# Altium PCB fmuvxX-baseT1.PcbDoc (part 4 of 5)
Units mm, origin at the board's own origin, x right, y up, seen from the top; angles counter-clockwise.
Board outline 88 x 47 mm, 6 copper layers (Top Layer, Layer 2, Signal Layer 3, Signal Layer 4, Layer 5, Bottom Layer), stack 1.548 mm thick; 363 components, 295 nets, 1451 pads, 844 vias.
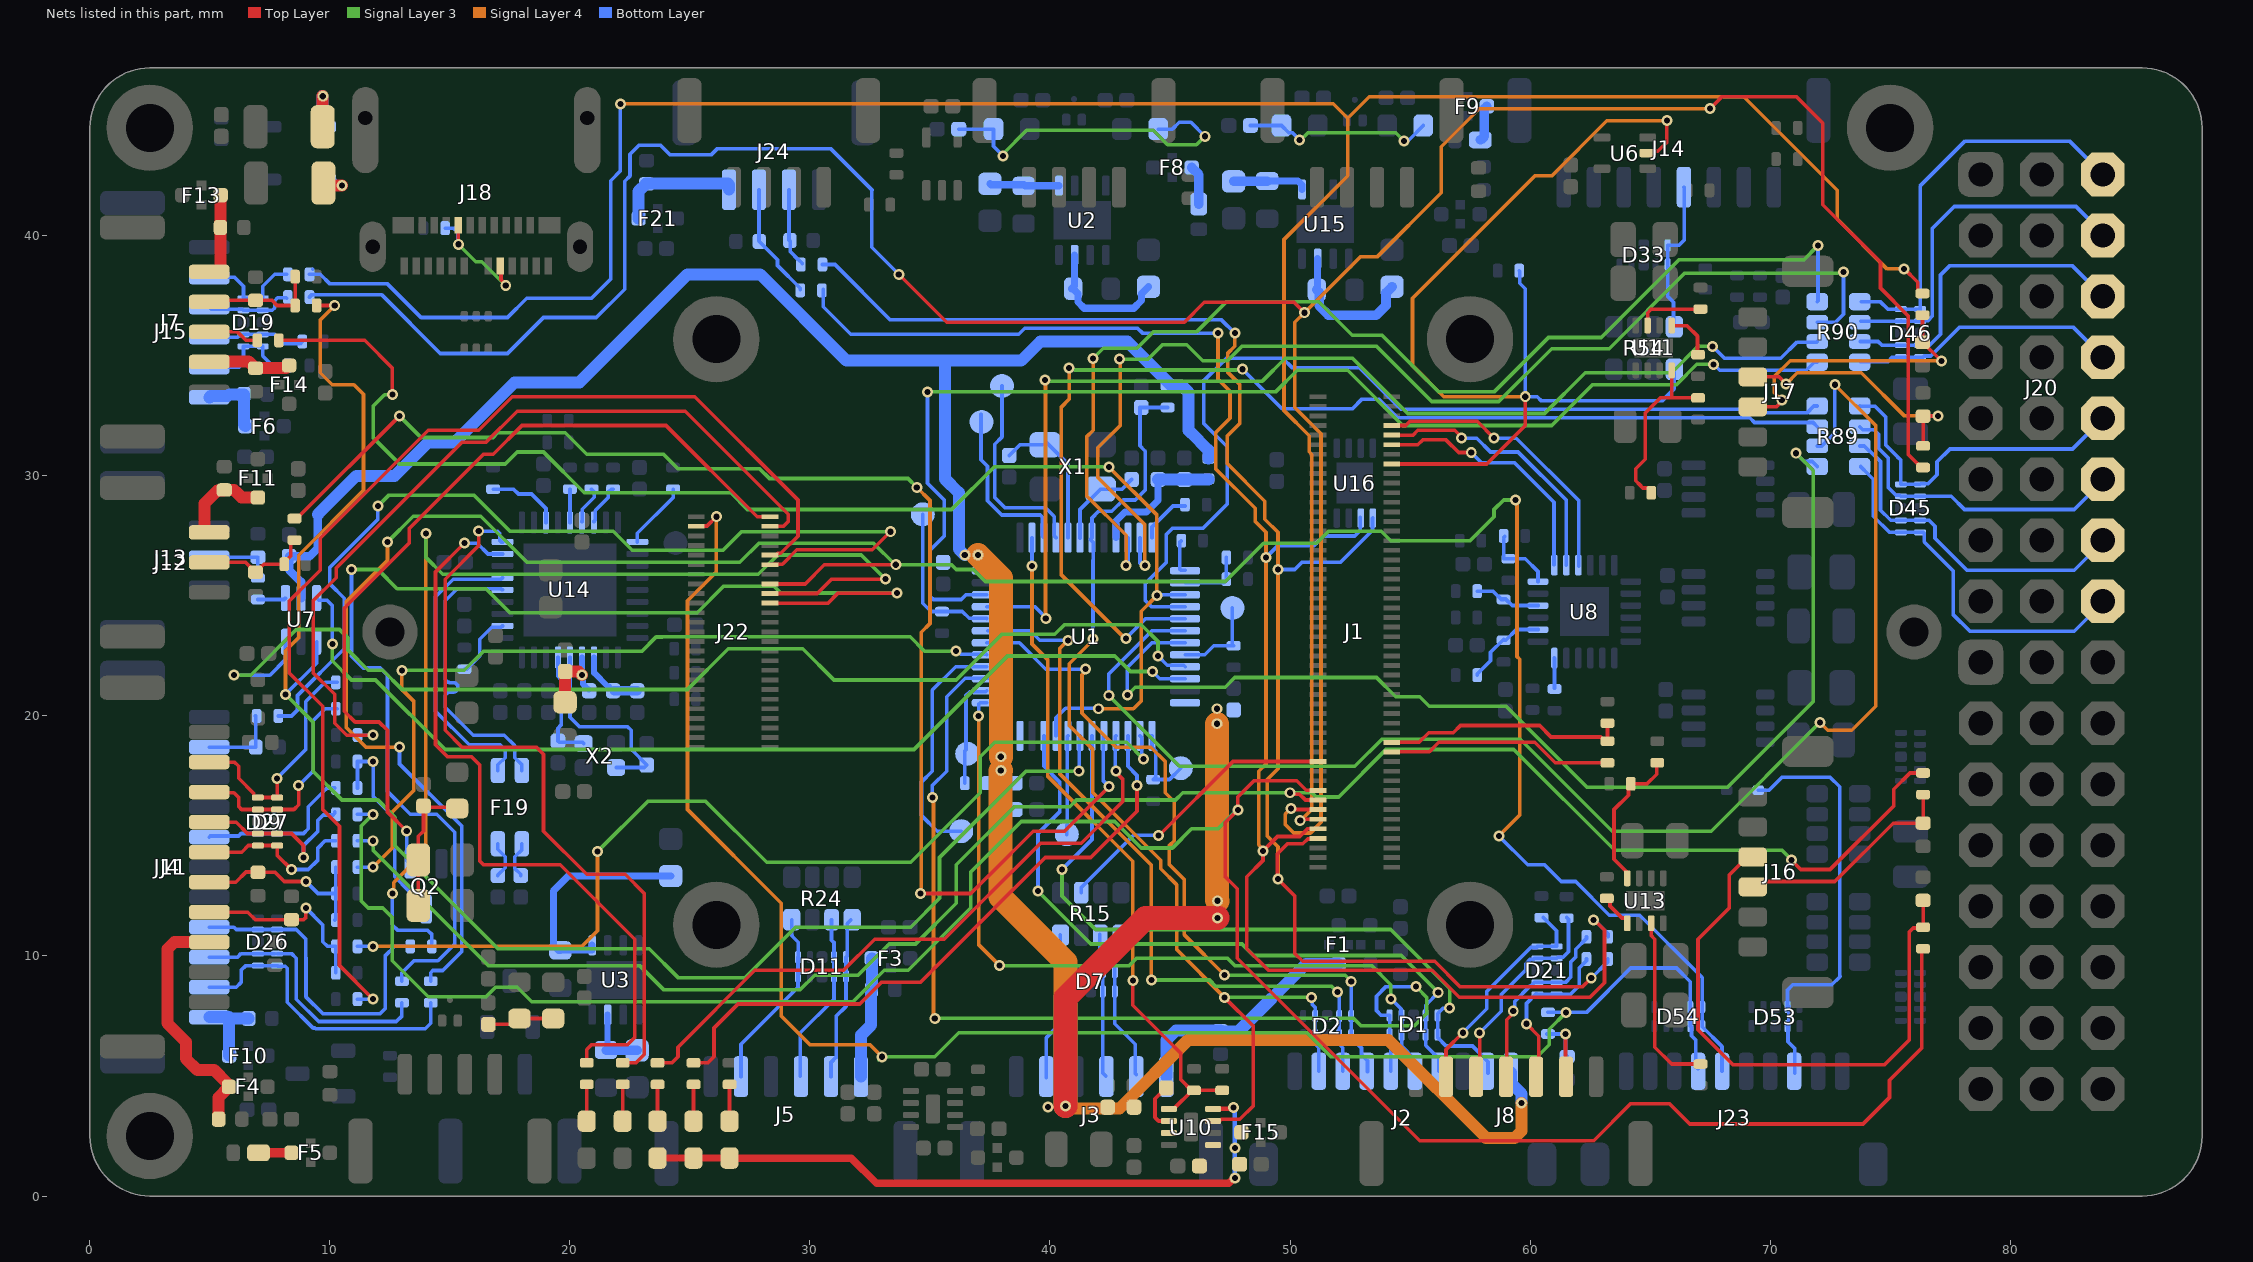
[diagram p8: the nets of this part, all layers, seen from the top]

## Via types
v1: diameter 0.457, hole 0.254, Top Layer to Bottom Layer, tented both sides, 788 vias
v2: diameter 0.65, hole 0.35, Top Layer to Bottom Layer, 56 vias

## Nets (pads, with @x,y where several pads share a name; then routed paths per layer and width w, separated by ;. In a path a pad name is that pad's centre, name@x,y a point inside that pad or via, vN(x,y) a via of type N, cw(c..) or ccw(c..) an arc to the next point about the centre after c; other vN are vias at no path point) (continued)
GPS2_5V_FLT: D18.2 F6.3 J7.1 | length 2.8
  Bottom Layer w0.5: J7.1@4.975,33.275 5.025,33.325 5.734,33.325 5.809,33.4 D18.2@6.415,33.4 ; D18.2@6.415,33.365 6.415,32.135 F6.3@6.475,32.075
HPWR_ILIM: R81.1 U11.7 | length 2.8
  Top Layer w0.152: U11.7@64.9,36.25 64.9,36.8 65.05,36.95 R81.1@67.1,36.95
HW_VER_REV_DRIVE: J1.25 R2.2 | length 9.5
  Top Layer w0.152: J1.25@54.24,18.5 54.247,18.507 55.807,18.507 56.2,18.9 60.2,18.9 61.05,18.05 R2.2@63.225,18.05
HW_VER_SENSE: J1.27 R1.2 R2.1 | length 10.3
  Top Layer w0.152: J1.27@54.24,18.9 55.375,18.9 55.775,19.3 56.8,19.3 57.1,19.6 60.4,19.6 60.875,19.125 62.947,19.125 63.122,18.95 R2.1@63.225,18.95 ; R2.1@63.225,18.975 R1.2@63.225,19.7
I2C1_SCL_GPS1: J1.18 R18.1 R61.2 | length 98.7
  Top Layer w0.152: J1.18@51.16,16.9 50.675,16.9 50.275,17.3 48.5,17.3 47.823,16.623 47.823,16.096 v1(47.829,16.09) 47.3,15.561 47.3,13.3 47.8,12.8 47.8,9.9 55.4,2.3 62.65,2.3 64.2,3.85 65.8,3.85 66.65,3 73.875,3 74.975,4.1 74.975,4.825 76.325,6.175 76.325,10.225 R61.2@76.4,10.3
  Signal Layer 3 w0.152: v1(11.8,15.9) 11.3,15.4 11.3,12.3 11.6,12 12.2,12 12.6,11.6 12.6,9.8 14.1,8.3 16.5,8.3 16.9,8.7 17.8,8.7 18.405,8.095 31.795,8.095 33.1,9.4 34.1,9.4 36.7,12 36.7,13.5 38.8,15.6 42.7,15.6 43.8,14.5 45.1,14.5 45.9,15.3 47,15.3 v1@47.8,16.1
  Bottom Layer w0.152: R18.1@11.15,15.9 v1(11.8,15.9)
I2C1_SDA_GPS1: J1.16 R19.1 R62.2 | length 78.7
  Top Layer w0.152: v1(50,16.8) 50.058,16.742 50.392,16.742 50.533,16.6 50.544,16.6 50.644,16.5 J1.16@51.16,16.5 ; v1(70.9,14) 70.9,13.975 71.275,13.6 72.5,13.6 75.15,16.25 75.15,16.95 75.825,17.625 R62.2@76.375,17.625
  Signal Layer 3 w0.152: v1(11.8,14.8) 11.8,14.4 16.6,9.6 22.9,9.6 23.9,8.6 29.6,8.6 30.2,9.2 32,9.2 33.3,10.5 34.4,10.5 36.1,12.2 36.1,13.8 38.52,16.22 40.82,16.22 41.1,16.5 45.234,16.5 45.534,16.8 v1(50,16.8) 50.916,16.8 51.091,16.625 52.025,16.625 54,18.6 59.325,18.6 63.525,14.4 70.5,14.4 v1(70.9,14)
  Bottom Layer w0.152: R19.1@11.15,14.8 v1(11.8,14.8)
I2C2_SCL_UART8: J1.14 R30.1 R63.2 | length 123.1
  Top Layer w0.152: v1(33.7,38.4) 35.7,36.4 45.6,36.4 46.432,37.232 50.168,37.232 v1(50.6,36.8) ; v1(50.037,16.152) 50.089,16.1 J1.14@51.16,16.1 ; v1(67.5,45.3) 68,45.8 71.1,45.8 72.2,44.7 72.2,41.3 74.6,38.9 74.6,37.825 75.75,36.675 75.75,30.898 76.298,30.35 R63.2@76.375,30.35
  Signal Layer 4 w0.152: v1(50.037,16.152) 50.037,16.147 49.8,15.91 49.8,15.475 50.15,15.125 50.85,15.125 51.293,15.568 51.293,31.757 50.2,32.85 50.2,36.4 v1(50.6,36.8) 52.925,39.125 53.625,39.125 56.3,41.8 56.3,43.711 57.889,45.3 v1(67.5,45.3)
  Bottom Layer w0.152: R30.1@9.15,37.45 9.255,37.555 12.145,37.555 14.6,35.1 17.4,35.1 18.9,36.6 21.1,36.6 22.281,37.781 22.281,42.281 22.5,42.5 22.5,43.4 22.875,43.775 23.775,43.775 24.175,43.375 25.875,43.375 26.125,43.625 30.875,43.625 32.588,41.912 ; 32.575,41.9 32.575,39.525 v1(33.7,38.4)
I2C2_SDA_UART8: J1.12 R31.1 R64.2 | length 112.4
  Top Layer w0.152: v1(50.425,15.643) 50.482,15.7 J1.12@51.16,15.7 ; v1@75.579,38.646 76.151,38.074 76.151,37.722 76.273,37.6 R64.2@76.35,37.6
  Signal Layer 4 w0.152: v1(22.1,45.5) 51.8,45.5 52.4,44.9 ; v1(50.425,15.643) 50.443,15.643 50.906,16.106 50.906,30.896 50.8,31.002 50.8,31.675 49.75,32.725 49.75,37.7 49.75,39.85 52.4,42.5 52.4,44.9 ; v1(75.575,38.625) 74.875,38.625 72.8,40.7 72.8,41.9 68.9,45.8 53.3,45.8 52.4,44.9
  Bottom Layer w0.152: R31.1@9.15,38.4 9.6,38.4 10,38 12.4,38 13.8,36.6 17.4,36.6 18.2,37.4 20.9,37.4 21.7,38.2 21.7,42.3 22.1,42.7 v1(22.1,45.5)
I2C3_SCL_EXTERNAL3: J1.10 R34.1 R104.1 U16.6 | length 72.7
  Top Layer w0.152: J1.10@51.15,15.3 50.729,15.3 50.404,14.975 49.475,14.975 v1(48.875,14.375) 48.875,13.975 48.2,13.3 48.2,10.3 49.1,9.4 55.925,9.4 57.045,8.28 62.497,8.28 63.105,8.888 63.105,11.07 62.675,11.5 v1(62.65,11.5)
  Signal Layer 4 w0.152: v1(47,35.95) 47,34.025 47.5,33.525 47.5,32.4 46.9,31.8 46.9,30.3 48.55,28.65 48.55,28.1 49,27.65 v1(49,26.6) 49,18 48.698,17.698 48.698,14.627 v1@48.975,14.35
  Bottom Layer w0.152: R104.1@30.55,37.775 30.55,37.05 31.7,35.9 38.7,35.9 38.95,36.15 43.65,36.15 43.85,35.95 v1(47,35.95) ; v1(49,26.6) 49.5,27.1 51,27.1 51.4,27.5 52.7,27.5 52.925,27.725 U16.6@52.925,28.275 ; v1(62.65,11.5) 62.675,11.5 63.25,10.925 R34.1@63.25,10.8
I2C3_SDA_EXTERNAL3: J1.8 R35.1 R105.1 U16.5 | length 68.6
  Top Layer w0.152: J1.8@51.16,14.9 51.136,14.876 50.736,14.876 50.53,14.67 49.895,14.67 49.472,14.247 49.472,13.228 50.2,12.5 50.2,10.1 50.525,9.775 56.025,9.775 57.075,8.725 62.2,8.725 v1(62.55,9.075)
  Signal Layer 4 w0.152: v1(47.7,35.95) 47.7,35.4 47.4,35.1 47.4,34.325 47.9,33.825 47.9,32.178 47.385,31.663 47.385,30.515 48.95,28.95 48.95,28.2 49.5,27.65 v1(49.5,26.1) 49.498,26.098 49.498,17.798 49.054,17.354 49.054,14.996 49.5,14.55 v1(49.5,13.2)
  Bottom Layer w0.152: R105.1@30.523,38.806 31.044,38.806 33.35,36.5 47.15,36.5 v1(47.7,35.95) ; v1(49.5,26.1) 50.2,26.1 50.5,26.4 52.1,26.4 53.439,27.739 53.439,28.234 U16.5@53.45,28.245 ; v1(62.55,9.075) 63.225,9.75 R35.1@63.225,9.875
IO_B_RES: D3.C R9.1 | length 1.6
  Top Layer w0.152: R9.1@25.125,4.675 R9.1@25.15,4.65 D3.C@25.15,3.12
IO_BOOT0: R14.1 TP9.1 U1.44 | length 6.6
  Bottom Layer w0.152: TP9.1@34.7,28.4 34.7,24.7 35.05,24.35 R14.1@35.5,24.35 36.35,24.35 36.634,24.066 37.354,24.066 U1.44@37.37,24.05
IO_BOOT1: R8.1 TP4.1 U1.20 | length 3.7
  Bottom Layer w0.152: U1.20@45.63,22.55 46.45,22.55 46.825,22.925 47.55,22.925 47.625,22.925 R8.1@47.65,22.925 ; R8.1@47.6,22.975 TP4.1@47.6,24.5
IO_CH1: R90.4 U1.10 | length 48.2
  Signal Layer 3 w0.152: v1(41.8,34.9) 42.221,35.321 43.621,35.321 44.3,36 46.1,36 47.355,37.255 51.2,37.255 52.588,35.866 53.834,35.866 56.2,33.5 58.5,33.5 60.77,35.77 62.97,35.77 66.2,39 71.4,39 v1(72,39.6)
  Signal Layer 4 w0.152: v1(41.8,34.9) 41.8,31.9 41.525,31.625 41.525,29.175 43.175,27.525 v1(43.175,26.275)
  Bottom Layer w0.152: v1(43.175,26.275) 43.225,26.275 43.25,26.3 U1.10@43.25,27.43 ; R90.4@71.965,37.26 72,37.295 v1(72,39.6)
IO_CH1_PROT: D46.1 D46.10 J20.1C R90.5 | length 16.7
  Bottom Layer w0.152: R90.5@73.8,37.25 74.6,37.25 74.9,36.95 D46.10@75.45,36.95 D46.1@76.25,36.95 76.25,42.075 78.125,43.95 82.475,43.95 J20.1C@83.9,42.525
IO_CH2: R90.3 U1.11 | length 48.2
  Signal Layer 3 w0.152: v1(42.891,34.866) 44.086,34.866 44.684,35.464 45.7,35.464 46.364,34.8 47.4,34.8 48,35.4 53.6,35.4 53.8,35.2 55.9,33.1 58.7,33.1 60.9,35.3 63.3,35.3 66.45,38.45 73.029,38.45 v1(73.067,38.488)
  Signal Layer 4 w0.152: v1(42.891,34.866) 42.925,34.832 42.925,32.1 41.995,31.17 41.995,29.93 43.95,27.975 v1(43.95,26.275)
  Bottom Layer w0.152: U1.11@43.75,27.43 43.75,26.375 43.85,26.275 v1(43.95,26.275) ; R90.3@71.965,36.4 72.725,36.4 73.056,36.731 73.056,38.477 v1(73.067,38.488)
IO_CH2_PROT: D46.2 D46.9 J20.2C R90.6 | length 14.7
  Bottom Layer w0.152: R90.6@73.785,36.45 D46.9@75.45,36.45 D46.9@75.463,36.463 ; D46.9@75.475,36.45 D46.2@76.25,36.45 76.277,36.477 76.577,36.477 76.75,36.65 76.75,40.3 77.675,41.225 82.75,41.225 J20.2C@83.875,40.1
IO_CH3: R90.2 U1.45 | length 47.8
  Signal Layer 3 w0.152: v1(39.8,34) 39.85,33.95 48.85,33.95 49.8,34.9 52.6,34.9 54.9,32.6 60.6,32.6 62.3,34.3 65.9,34.3 67,35.4 v1(67.6,35.4)
  Signal Layer 4 w0.152: v1(39.8,34) 39.813,33.987 39.813,24.08 v1(39.825,24.068)
  Bottom Layer w0.152: U1.45@37.37,24.55 39.375,24.55 39.825,24.1 v1(39.825,24.068) ; v1(67.6,35.4) 68.1,34.9 70.45,34.9 71.126,35.576 71.941,35.576 R90.2@71.965,35.6
IO_CH3_PROT: D46.4 D46.7 J20.3C R90.7 | length 13.6
  Bottom Layer w0.152: R90.7@73.75,35.6 74.5,35.6 74.65,35.45 D46.7@75.45,35.45 ; D46.7@75.4,35.45 76.65,35.45 77.1,35.9 77.1,38.375 77.475,38.75 82.6,38.75 83.85,37.5 J20.3C@83.85,37.475
IO_CH4: R90.1 U1.46 | length 51.2
  Signal Layer 3 w0.152: v1(34.9,33.5) 49.4,33.5 50.3,34.4 52.4,34.4 54.7,32.1 60.9,32.1 62.6,33.8 66.1,33.8 66.95,34.65 v1(67.65,34.65)
  Bottom Layer w0.152: v1(34.9,33.5) 34.9,29.7 35.6,29 35.6,27.5 35.016,26.916 35.016,24.984 35.15,24.85 36.3,24.85 36.5,25.05 U1.46@37.37,25.05 ; v1(67.65,34.65) 67.9,34.4 71.502,34.4 71.842,34.74 R90.1@71.965,34.74
IO_CH4_PROT: D46.5 D46.6 J20.4C R90.8 | length 11.2
  Bottom Layer w0.152: R90.8@73.75,34.75 74.9,34.75 75.1,34.95 D46.6@75.45,34.95 D46.5@76.25,34.95 76.37,34.95 76.419,34.999 76.699,34.999 77.9,36.2 82.625,36.2 J20.4C@83.825,35 ; J20.4C@83.825,34.9 J20.4C@83.825,34.975
IO_CH5: R89.4 U1.16 | length 40.5
  Bottom Layer w0.152: U1.16@45.63,24.55 44.225,24.55 43.975,24.8 43.975,25.525 44.85,26.4 44.85,27.575 45.1,27.825 46.375,27.825 47.383,28.833 47.383,31.217 46.4,32.2 46.4,33.95 47.35,34.9 49.7,34.9 50.1,34.5 52.9,34.5 54.625,32.775 69.525,32.775 69.675,32.625 71.536,32.625 71.821,32.91 R89.4@71.965,32.91
IO_CH5_PROT: D45.1 D45.10 J20.5C R89.5 | length 14.2
  Bottom Layer w0.152: R89.5@73.735,32.91 73.745,32.9 74.375,32.9 74.825,32.45 74.825,31.281 75.307,30.799 75.307,30.793 75.45,30.65 D45.10@75.45,29.65 D45.1@76.25,29.65 76.277,29.677 76.577,29.677 76.953,30.053 76.953,30.585 77.493,31.125 82.6,31.125 J20.5C@83.865,32.39
IO_CH6: R89.3 U1.17 | length 47.9
  Signal Layer 3 w0.152: v1(40.8,34.5) 40.858,34.442 41.011,34.442 41.042,34.411 47.991,34.411 v1(48.025,34.445)
  Signal Layer 4 w0.152: v1(40.8,34.5) 40.8,33.2 40.475,32.875 40.475,25.875 43.125,23.225 v1(43.175,23.225)
  Bottom Layer w0.152: v1(43.175,23.225) 43.175,23.25 43.975,24.05 U1.17@45.63,24.05 ; v1(48.025,34.445) 49.67,32.8 52.6,32.8 53,33.2 53.7,33.2 54.475,32.425 69.15,32.425 69.35,32.225 71.79,32.225 R89.3@71.965,32.05
IO_CH6_PROT: D45.2 D45.9 J20.6C R89.6 | length 13.1
  Bottom Layer w0.152: R89.6@73.735,32.05 73.86,31.925 74.325,31.925 74.52,31.73 74.52,31.155 74.925,30.75 74.925,29.517 75.243,29.199 75.401,29.199 D45.9@75.45,29.15 D45.2@76.25,29.15 77.55,29.15 78.1,28.6 82.675,28.6 83.85,29.775 J20.6C@83.85,29.825
IO_CH7: R89.2 U1.18 | length 59.5
  Signal Layer 3 w0.152: v1(42.45,20.85) 45.4,17.9 52.7,17.9 53.835,19.035 59.59,19.035 63.425,15.2 67.55,15.2 v1(72.075,19.725)
  Signal Layer 4 w0.152: v1(72.075,19.725) 72.4,19.4 73.4,19.4 74.4,20.4 74.4,32.1 v1(72.7,33.8)
  Bottom Layer w0.152: v1(42.45,20.85) 42.45,21.75 44.25,23.55 U1.18@45.63,23.55 ; R89.2@71.965,31.25 72.15,31.25 72.418,31.519 72.421,31.519 72.698,31.795 v1@72.698,33.798
IO_CH7_PROT: D45.4 D45.7 J20.7C R89.7 | length 14.3
  Bottom Layer w0.152: R89.7@73.735,31.25 73.92,31.25 74.148,31.021 74.179,31.021 74.6,30.6 74.6,28.575 75.025,28.15 D45.7@75.45,28.15 D45.4@76.25,28.15 76.625,28.15 76.874,27.901 76.874,27.408 78.207,26.075 82.675,26.075 83.9,27.3 J20.7C@83.9,27.325
IO_CH8: R89.1 U1.19 | length 48
  Top Layer w0.152: v1(71.076,30.946) v1@71.076,30.949
  Signal Layer 3 w0.152: v1(43.225,20.875) 43.55,21.2 47.3,21.2 47.7,21.6 53.6,21.6 54.4,20.8 55.4,20.8 55.8,20.4 59,20.4 62.375,17.025 68.225,17.025 71.8,20.6 71.8,30.222 v1(71.076,30.946)
  Bottom Layer w0.152: v1(43.225,20.875) 43.225,22.025 44.25,23.05 U1.19@45.63,23.05 ; v1(71.076,30.946) 71.422,30.6 71.755,30.6 R89.1@71.965,30.39
IO_CH8_PROT: D45.5 D45.6 J20.8C R89.8 | length 15.7
  Bottom Layer w0.152: R89.8@73.771,30.39 74.109,30.052 74.109,30.045 74.295,29.859 74.295,28.449 74.3,28.444 74.3,28.325 74.975,27.65 D45.6@75.45,27.65 D45.5@76.25,27.65 76.375,27.65 76.424,27.601 76.424,27.251 77.625,26.05 77.625,24.225 78.325,23.525 82.675,23.525 J20.8C@83.9,24.75
IO_CSET: C44.1 U10.6 | length 2.1
  Top Layer w0.152: C44.1@44.85,4.525 44.375,4.05 44.375,3.275 44.525,3.125 U10.6@44.955,3.125
IO_G_RES: D5.C R11.1 | length 1.6
  Top Layer w0.152: D5.C@26.65,3.12 R11.1@26.65,4.65 R11.1@26.65,4.675
IO_NRST: C3.1 D2.2 D2.9 J2.9 R12.2 U1.7 U10.3 | length 44.3
  Top Layer w0.152: U10.3@46.795,3.125 46.854,3.184 47.122,3.184 47.138,3.2 47.911,3.2 48.475,3.764 48.475,7.075 v1(47.275,8.275)
  Signal Layer 3 w0.152: v1(47.275,8.275) v1(50.9,8.275)
  Signal Layer 4 w0.152: v1(41.8,23.2) 41.8,23.175 40.8,22.175 40.8,19.6 41.775,18.625 41.775,16.825 44.612,13.988 44.612,13.637 45.275,12.973 45.275,10.275 v1(47.275,8.275)
  Bottom Layer w0.152: v1(41.8,23.2) 41.793,23.207 41.793,26.489 41.8,26.497 41.8,27.23 41.675,27.355 U1.7@41.75,27.43 41.75,28.25 42.025,28.525 42.575,28.525 43.05,29 43.55,29 43.966,29.416 43.966,31.034 43.931,31.069 43.931,31.071 43.75,31.252 C3.1@43.75,32.85 ; C3.1@43.8,32.85 R12.2@44.9,32.85 ; v1(50.9,8.275) 50.933,8.242 50.933,7.967 51.048,7.852 51.048,7.502 D2.2@51.05,7.5 D2.9@51.05,6.7 51.05,6.325 51.2,6.175 J2.9@51.2,5.197
IO_nSAFETY_SWITCH_LED_OUT: R23.1 U1.26 | length 42.5
  Signal Layer 3 w0.152: v1(21.15,14.35) 23.25,16.45 25.65,16.45 28.2,13.9 34.2,13.9 37.1,16.8 37.1,18.3 37.7,18.9 43.2,18.9 v1(43.9,18.2)
  Signal Layer 4 w0.152: v1(11.8,10.4) 20.5,10.4 21.15,11.05 v1(21.15,14.35)
  Bottom Layer w0.152: R23.1@11.15,10.4 v1(11.8,10.4) ; U1.26@43.75,19.17 43.822,19.098 43.822,18.361 43.9,18.282 v1(43.9,18.2)
IO_O_RES: D4.C R10.1 | length 1.5
  Top Layer w0.152: R10.1@23.625,4.65 23.65,4.625 D4.C@23.65,3.12
IO_OSC_IN: C9.1 U1.5 X1.3 | length 6
  Bottom Layer w0.152: C9.1@38.3,30.85 38.75,31.3 X1.3@39.8,31.3 ; X1.3@39.875,31.375 40.75,30.5 U1.5@40.75,27.43
IO_OSC_OUT: C8.1 U1.6 X1.1 | length 3.9
  Bottom Layer w0.152: U1.6@41.25,27.4 41.25,28.6 X1.1@42.1,29.45 43,29.45 C8.1@43.4,29.85
IO_PPM_INPUT: R49.1 U1.29 | length 58.4
  Top Layer w0.152: R49.1@8.525,28.225 8.62,28.225 12.895,32.5 v1(12.9,32.5) ; v1(34.6,12.6) 36.7,12.6 39.3,15.2 40.603,15.2 v1(42.459,17.056)
  Signal Layer 3 w0.152: v1(12.9,32.5) 13.8,31.6 16.8,31.6 16.998,31.798 19.8,31.798 20.698,30.9 23.9,30.9 24.5,30.3 27.9,30.3 28.311,29.889 34.086,29.889 v1(34.45,29.525)
  Signal Layer 4 w0.152: v1@34.4,29.6 34.4,29.575 v1(34.45,29.525) 35,28.975 35,23.85 34.642,23.492 34.642,12.642 v1(34.6,12.6)
  Bottom Layer w0.152: U1.29@42.25,19.17 42.225,19.145 42.225,17.29 v1(42.459,17.056)
IO_RSSI_IN: R60.1 U1.15 U1.33 | length 58.3
  Top Layer w0.152: R60.1@7.875,35.65 11.45,35.65 12.6,34.5 v1(12.6,33.4)
  Signal Layer 3 w0.152: v1(12.6,33.4) 12.579,33.379 12.279,33.379 11.8,32.9 11.8,31.6 12.9,30.5 17.302,30.5 17.8,30.998 18.902,30.998 20.6,29.3 26.7,29.3 27.4,28.6 35.9,28.6 37.676,30.376 v1(42.452,30.376)
  Signal Layer 4 w0.152: v1(42.025,20.3) 43.475,20.3 43.8,20.625 43.8,24.364 v1(44.454,25.018) 44.454,28.375 v1(42.452,30.376)
  Bottom Layer w0.152: U1.33@40.25,19.17 40.25,19.925 40.65,20.325 42,20.325 v1(42.025,20.3) ; v1(44.454,25.018) 44.486,25.05 U1.15@45.63,25.05
IO_SAFETY_SWITCH_IN: R20.1 U1.41 | length 35
  Signal Layer 3 w0.152: v1(13,21.9) 15.6,21.9 16.4,22.7 23,22.7 23.59,23.29 23.836,23.29 23.846,23.3 34.175,23.3 34.777,22.698 v1(36.077,22.698)
  Signal Layer 4 w0.152: v1(11.8,13.7) 12.6,14.5 12.6,16 13.5,16.9 13.5,20.6 13,21.1 v1(13,21.9)
  Bottom Layer w0.152: R20.1@11.15,13.7 v1(11.8,13.7) ; v1(36.077,22.698) 36.159,22.698 36.282,22.576 37.344,22.576 U1.41@37.37,22.55
IO_SBUS_INPUT: U1.22 U7.6 | length 42.1
  Signal Layer 3 w0.152: v1(10.1,23) 10.1,22.3 10.9,21.5 11.9,21.5 14.8,18.6 34.333,18.6 38.233,22.5 42.7,22.5 43.35,21.85 v1(44.275,21.85)
  Bottom Layer w0.152: U7.6@9.45,24.91 9.539,24.821 9.879,24.821 10.1,24.6 v1(10.1,23) ; v1(44.275,21.85) 44.575,21.55 U1.22@45.63,21.55
IO_SBUS_OUTPUT: U1.21 U7.3 | length 48.2
  Signal Layer 3 w0.152: v1(6,21.7) 6.7,21.7 8.6,23.6 10.4,23.6 10.75,23.25 10.75,22.75 11.6,21.9 12.2,21.9 13,21.1 24.9,21.1 26.6,22.8 29.7,22.8 31,21.5 36.1,21.5 38,23.4 40.2,23.4 40.6,23.8 43.8,23.8 44.5,23.1 v1(44.5,22.5)
  Bottom Layer w0.152: v1(6,21.7) 7.5,21.7 8.15,22.35 U7.3@8.15,23.09 ; v1(44.5,22.5) 44.889,22.111 45.569,22.111 U1.21@45.63,22.05
IO_SPARE_GPIO1: D2.5 D2.6 J2.7 U1.42 | length 30.3
  Signal Layer 3 w0.152: v1(47.277,9.2) 52.3,9.2 52.55,8.95 v1(52.55,8.943)
  Signal Layer 4 w0.152: v1(41.487,21.95) 41.487,21.868 41.332,21.713 41.332,20.118 42.75,18.7 44.2,18.7 44.8,18.1 44.8,16.8 45.175,16.425 45.175,14.8 44.975,14.6 44.975,13.8 45.6,13.175 45.6,10.878 v1(47.277,9.2)
  Bottom Layer w0.152: U1.42@37.37,23.05 38.725,23.05 39.825,21.95 v1(41.487,21.95) ; v1(52.55,8.943) D2.5@52.55,7.5 D2.6@52.55,6.7 52.55,6.6 52.98,6.17 52.98,5.879 53.225,5.634 J2.7@53.225,5.175
IO_SPARE_GPIO2: D2.4 D2.7 J2.8 U1.43 | length 30.7
  Signal Layer 3 w0.152: v1(44.225,9) 46.643,9 46.9,8.743 51.732,8.743 v1(51.975,8.5)
  Signal Layer 4 w0.152: v1(40.75,23.15) 40.4,22.8 40.4,17.6 44.225,13.775 v1(44.225,9)
  Bottom Layer w0.152: U1.43@37.4,23.55 39.175,23.55 39.575,23.15 v1(40.75,23.15) ; v1(51.975,8.5) 51.975,8.418 52.05,8.343 52.05,6.325 52.2,6.175 J2.8@52.2,5.197
IO_SPARE_GPIO3: TP7.1 U1.3 | length 7.2
  Bottom Layer w0.152: TP7.1@37.125,32.561 37.125,30.675 37.398,30.402 37.398,28.975 37.4,28.972 37.4,28.969 37.994,28.375 39.589,28.375 39.678,28.286 39.678,27.502 U1.3@39.75,27.43
IO_SPARE_GPIO4: TP8.1 U1.4 | length 8.5
  Bottom Layer w0.152: TP8.1@38,33.75 38,31.625 37.7,31.325 37.7,29.1 38.12,28.68 39.804,28.68 40.178,28.306 40.178,27.502 U1.4@40.25,27.43
IO_SPARE_GPIO5: TP2.1 U1.32 | length 4.1
  Bottom Layer w0.152: TP2.1@40.7,15.05 TP2.1@40.7,15.075 40.7,15.45 40.725,15.475 40.725,19.145 U1.32@40.75,19.17
IO_SPARE_GPIO6: R13.1 TP6.1 U1.25 | length 3.3
  Bottom Layer w0.152: U1.25@44.25,19.17 44.25,18.688 44.4,18.538 44.4,17.45 R13.1@44.3,17.35 44.975,17.35 TP6.1@45.45,17.825
IO_SWCLK: D1.2 D1.9 J2.5 U1.37 | length 32.5
  Signal Layer 3 w0.152: v1(37.9,9.6) 43.3,9.6 43.6,9.9 47.4,9.9 47.7,9.6 53.4,9.6 54.2,8.8 v1(54.2,8.2)
  Signal Layer 4 w0.152: v1(37.025,20) 37.025,10.475 v1(37.9,9.6)
  Bottom Layer w0.152: v1(37.025,20) 37.025,20.476 37.099,20.55 U1.37@37.37,20.55 ; v1(54.2,8.2) 54.225,8.2 54.625,7.8 D1.2@54.625,7.5 ; D1.9@54.65,6.725 54.65,6.25 55.2,5.7 J2.5@55.2,5.197 ; D1.9@54.65,6.75 D1.2@54.65,7.525
IO_SWDIO: D1.4 D1.7 J2.4 U1.34 | length 29.3
  Signal Layer 3 w0.152: v1(39.5,12.7) 41.7,10.5 48,10.5 48.479,10.021 54.629,10.021 v1(56.175,8.475)
  Bottom Layer w0.152: v1(39.5,12.7) 39.5,15.1 40.4,16 40.4,17.25 39.75,17.9 U1.34@39.75,19.17 ; v1(56.175,8.475) 55.65,7.95 D1.4@55.65,7.525 D1.7@55.65,6.725 55.65,6.275 56.2,5.725 J2.4@56.2,5.197
IO_SWO: D1.1 D1.10 J2.6 U1.39 | length 43.2
  Signal Layer 3 w0.152: v1(35.2,7.4) 52.65,7.4 52.95,7.1 55.2,7.1 55.7,7.6 55.7,8.271 55.3,8.671 v1@55.3,8.7
  Signal Layer 4 w0.152: v1(35.1,16.6) 35.15,16.55 35.15,7.45 v1(35.2,7.4)
  Bottom Layer w0.152: v1(35.1,16.6) 35.1,17.1 35.7,17.7 35.7,20.8 36.475,21.575 U1.39@37.425,21.575 ; J2.6@54.2,5.197 54.2,6.175 54.15,6.225 D1.10@54.15,6.725 D1.1@54.15,7.525 53.8,7.525 53.6,7.725 53.6,8.325 54,8.725 55.241,8.725 v1(55.243,8.728)
IO_USART1_RX_SBUS_INPUT: R58.1 U1.31 U7.1 | length 68.4
  Top Layer w0.152: R58.1@9.45,37.1 v1(10.2,37.1)
  Signal Layer 3 w0.152: v1(8.15,20.9) 9.3,19.75 9.3,17.7 10.5,16.5 12,16.5 12.7,15.8 12.7,14.6 17,10.3 23.3,10.3 24.5,9.1 27.3,9.1 29.4,11.2 34.2,11.2 35.4,12.4 35.4,14.1 39,17.7 v1(41.2,17.7)
  Signal Layer 4 w0.152: v1(8.15,20.9) 8.15,22.717 8.7,23.267 8.7,26.7 11.4,29.4 11.4,33.4 11,33.8 10.1,33.8 9.6,34.3 9.6,36.5 v1(10.2,37.1)
  Bottom Layer w0.152: v1(8.15,20.9) 9.45,22.2 U7.1@9.45,23.09 ; v1(41.2,17.7) 41.225,17.725 41.225,19.145 U1.31@41.25,19.17
IO_USART1_TX_DEBUG: D1.5 D1.6 J2.2 U1.30 | length 30.3
  Signal Layer 3 w0.152: v1(40.5,13.6) 40.5,12.5 41.9,11.1 54.2,11.1 56.65,8.65 v1(56.65,7.825)
  Bottom Layer w0.152: v1(40.5,13.6) 41.75,14.85 U1.30@41.75,19.17 ; D1.5@56.15,7.525 D1.6@56.15,6.725 56.15,6.6 56.503,6.247 57.602,6.247 58.25,5.599 J2.2@58.25,5.125 ; D1.5@56.15,7.6 56.375,7.825 v1(56.65,7.825)
IO_USART2_RX_FROM_FMU: R6.1 U1.13 | length 1.5
  Bottom Layer w0.152: R6.1@45.475,27.3 45.4,27.225 45.4,26.124 45.449,26.075 U1.13@45.625,26.075
IO_USART2_TX_TO_FMU: R5.1 U1.12 | length 2.2
  Bottom Layer w0.152: U1.12@44.25,27.43 44.25,27.875 45.125,28.75 R5.1@45.625,28.75
IO_VDD_3V3: C4.1 C5.1 C6.1 C7.1 C26.1 C47.1 C48.1 FB1.1 J2.1 R3.1 R12.1 U1.24 U1.36 U1.48 U7.5 U10.7 | length 127.5
  Top Layer w1: v1(40.65,3.75) 40.65,8.25 43.975,11.575 v1(46.975,11.575) v1@46.975,11.6
  Signal Layer 4 w0.5: v1@40.65,3.65 42.9,3.65 45.75,6.5 54.1,6.5 58.175,2.425 59.357,2.425 59.65,2.718 v1(59.65,3.875)
  Signal Layer 4 w1: v1(37,26.7) 37.959,25.741 37.959,18.309 v1(37.95,18.3) ; v1(37.95,17.725) 37.939,17.714 37.939,12.461 40.65,9.75 v1(40.65,3.75) ; v1(46.95,19.675) 46.95,12.325 v1(46.975,12.3)
  Bottom Layer w0.35: U7.5@8.8,24.91 8.8,25.584 8.3,26.084 C26.1@8.3,26.65 9.15,26.65 9.5,27 9.5,28.4
  Bottom Layer w0.5: 9.5,28.4 11.1,30 12.7,30 14.1,31.4 15.2,31.4 17.7,33.9 20.4,33.9 24.9,38.4 27.925,38.4 31.525,34.8 35.629,34.8 ; v1(36.45,26.7) 36.2,26.95 36.2,29.3 35.629,29.871 35.629,34.8 ; 39.6,35.6 39.596,35.596 ; FB1.1@46.6,30.725 46.6,31.073 45.859,31.814 45.859,31.816 45.775,31.9 45.775,33.476 45.482,33.769 45.056,33.769 43.229,35.596 39.596,35.596 ; J2.1@59.2,5.137 59.2,4.662 59.25,4.612 59.295,4.612 59.65,4.257 v1(59.65,3.875) ; 35.629,34.8 38.8,34.8 39.596,35.596
  other v1: 39.925,3.7 46.95,20.3